# Altium PCB qwq.pcbdoc (part 1 of 3)
Units mil, origin at the board's own origin, x right, y up, seen from the top; angles counter-clockwise.
Board outline 7804.77 x 7315.9 mil, 6 copper layers (Top Layer, Inner1, Inner2, Inner3, Mid-Layer 4, Bottom Layer), stack 84 mil thick; 54 components, 121 nets, 696 pads, 479 vias.
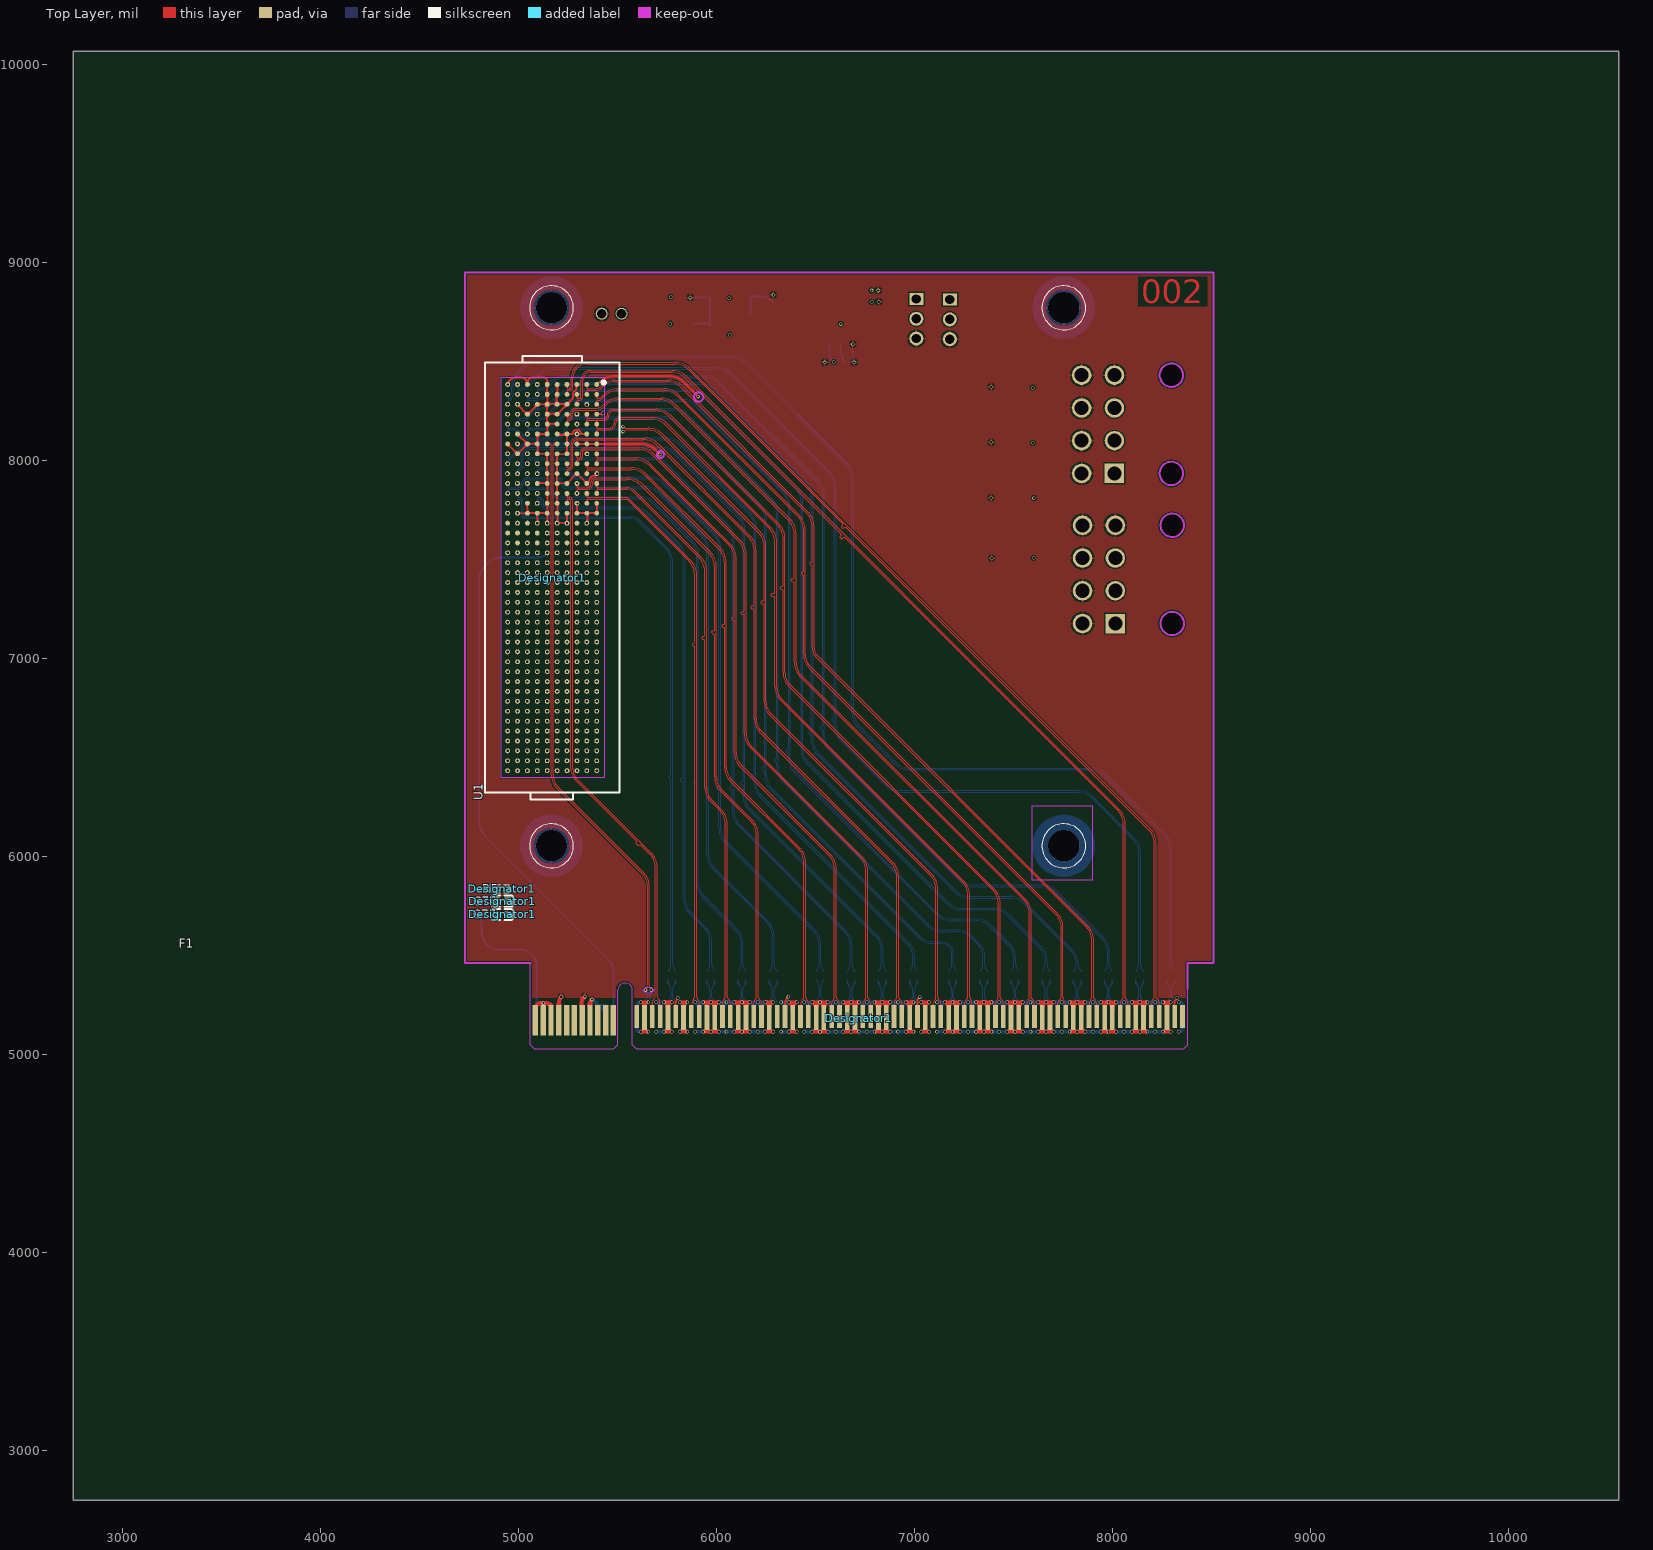
[diagram p0: Top Layer view]
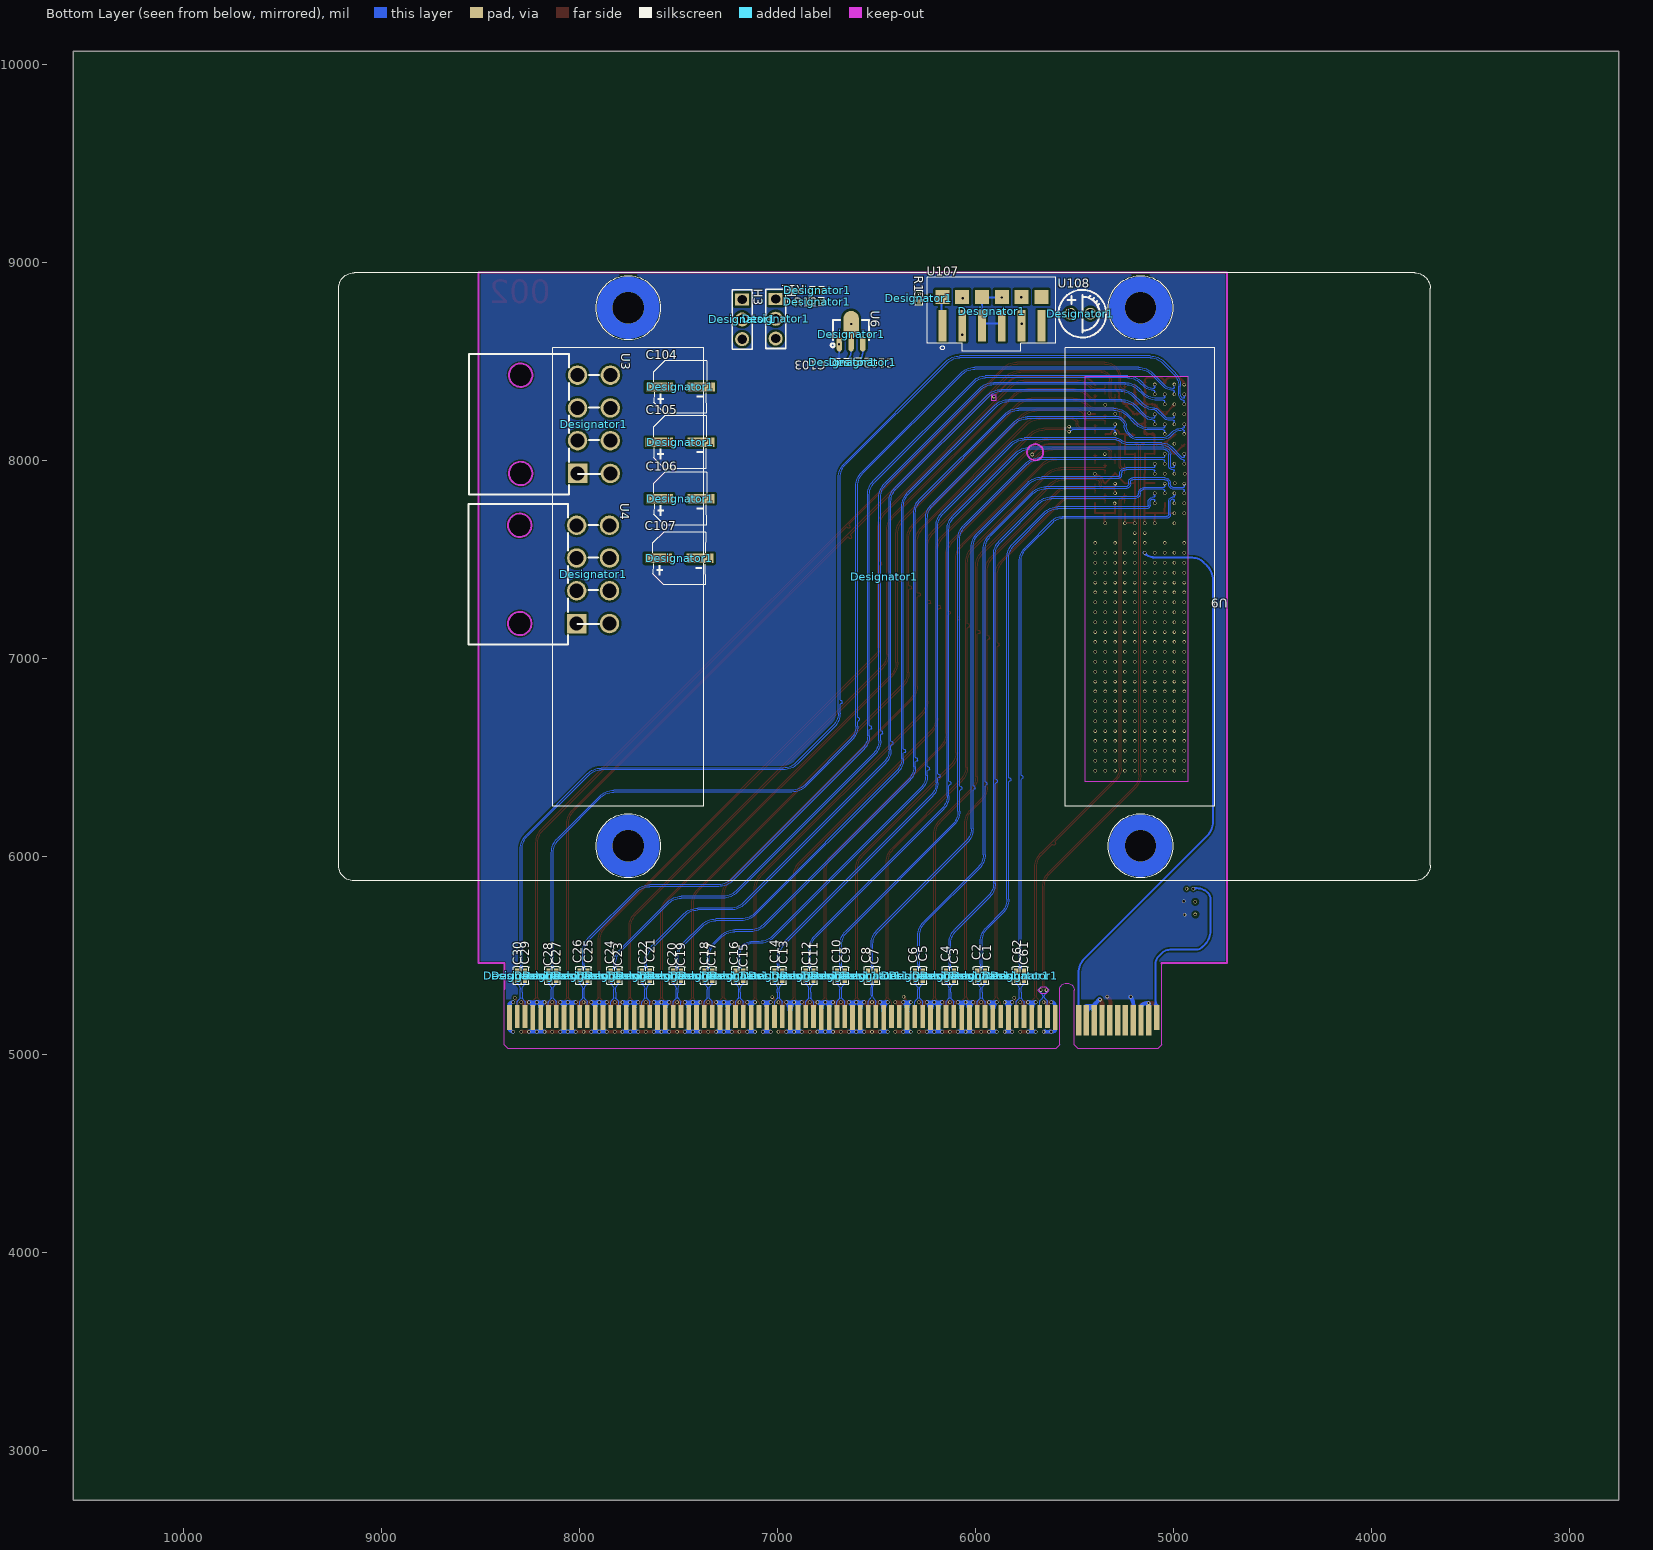
[diagram p1: Bottom Layer view, seen from below]
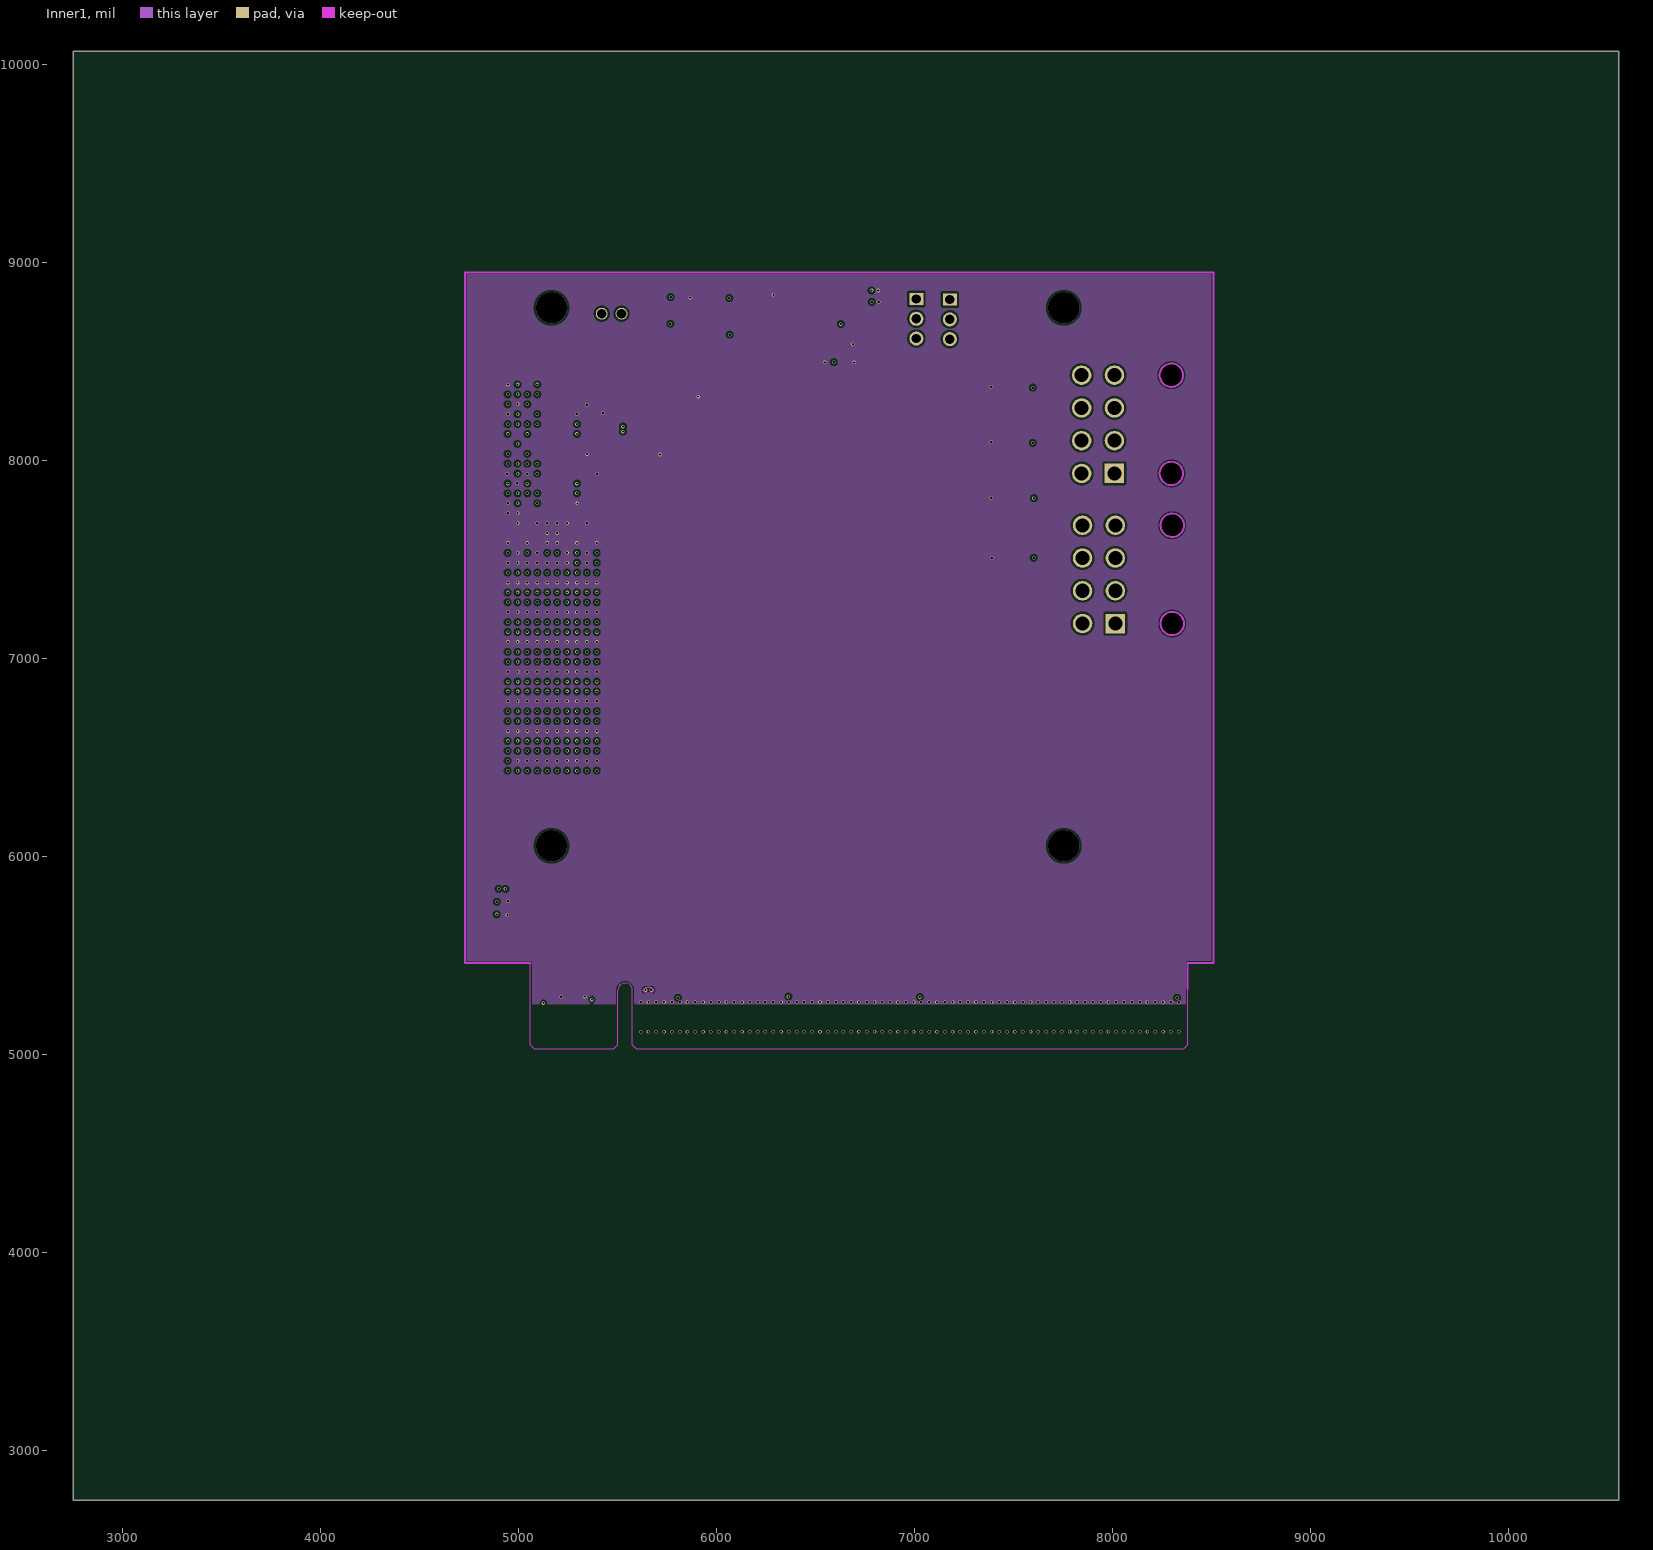
[diagram p2: Inner1]
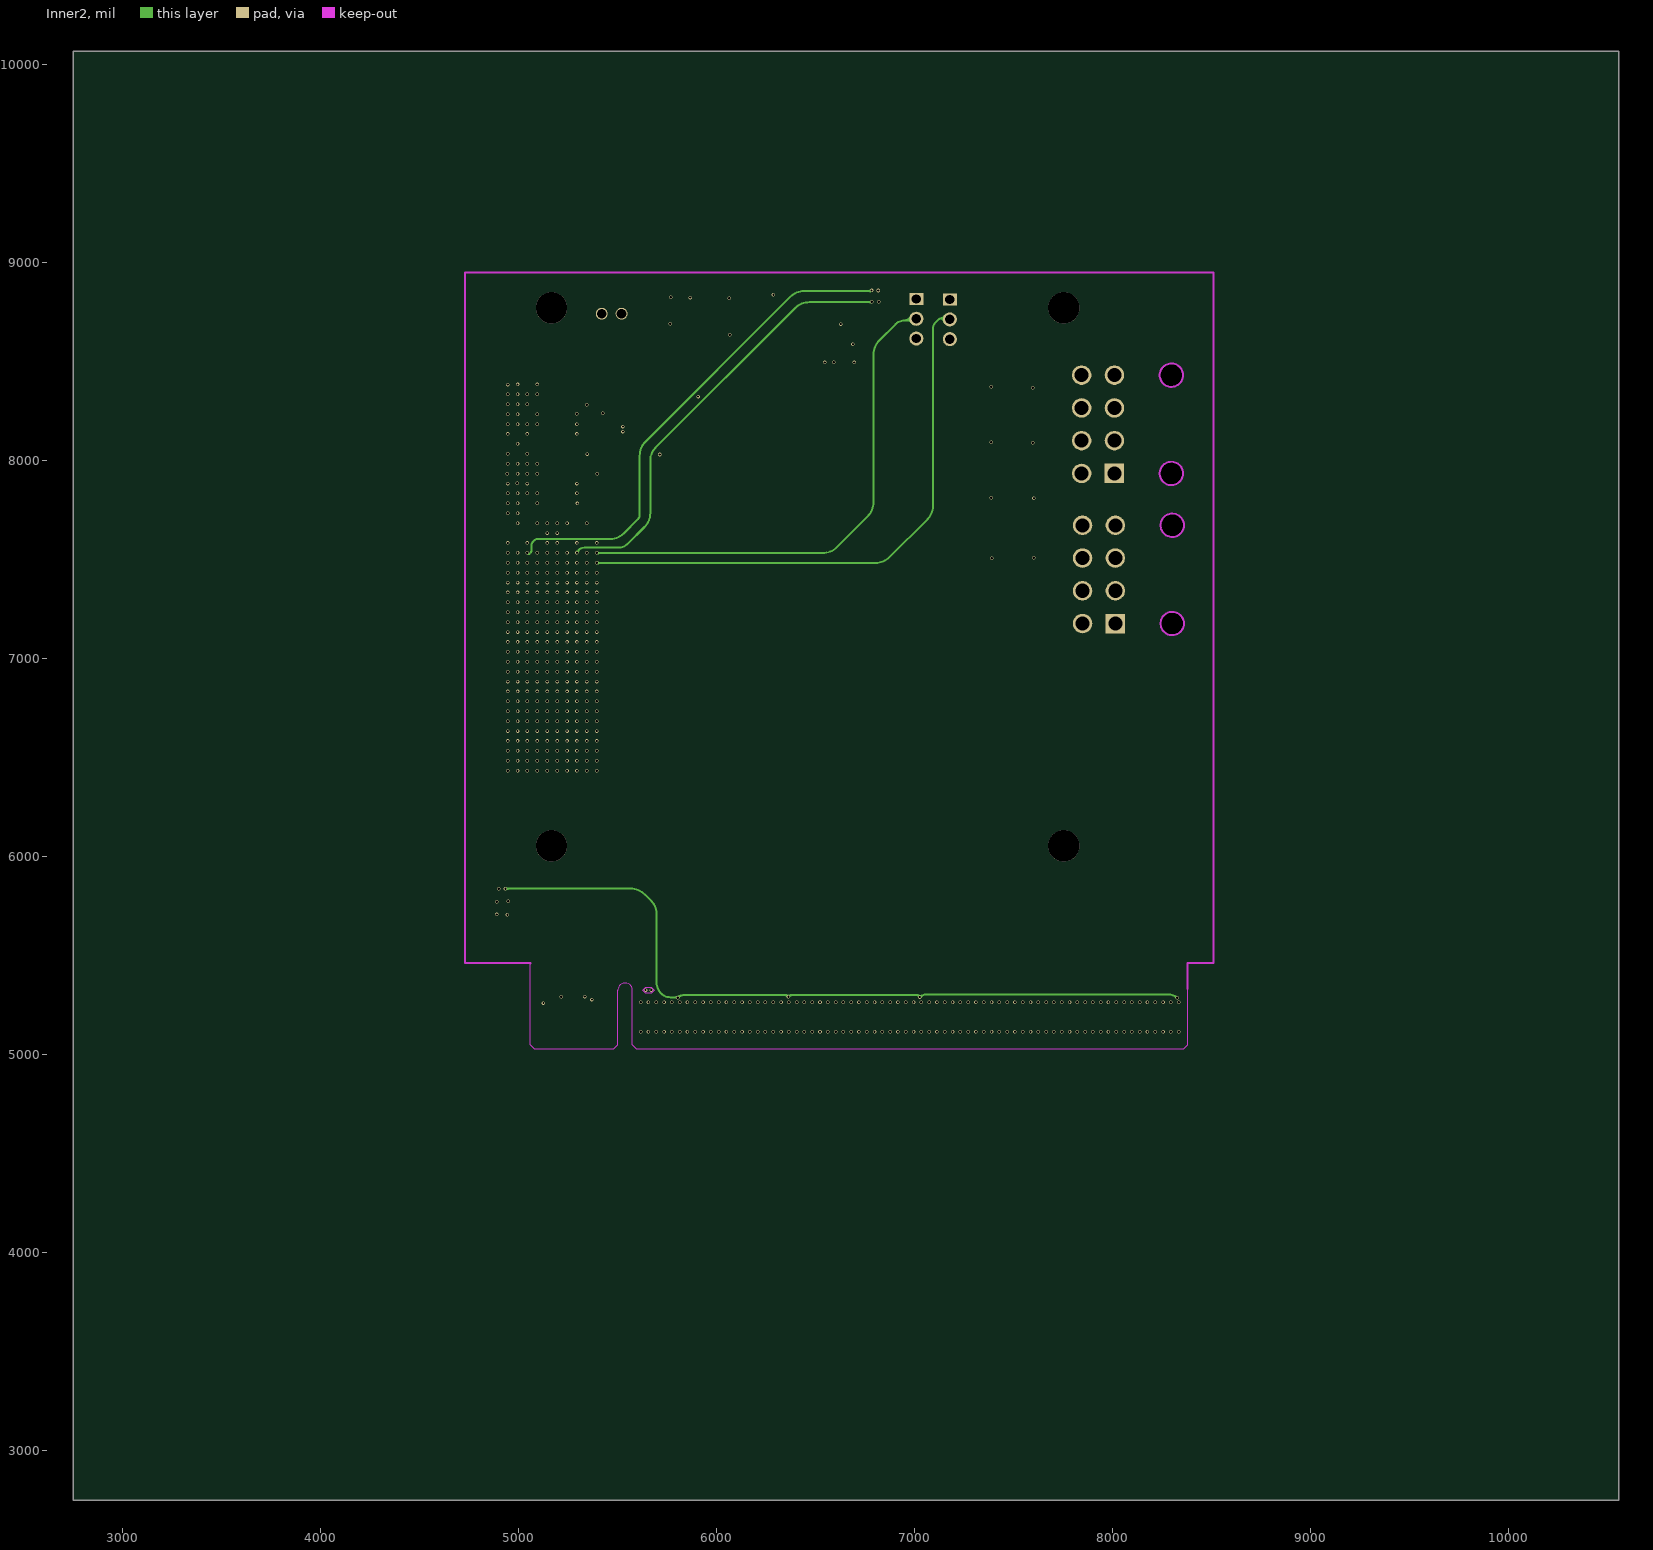
[diagram p3: Inner2]
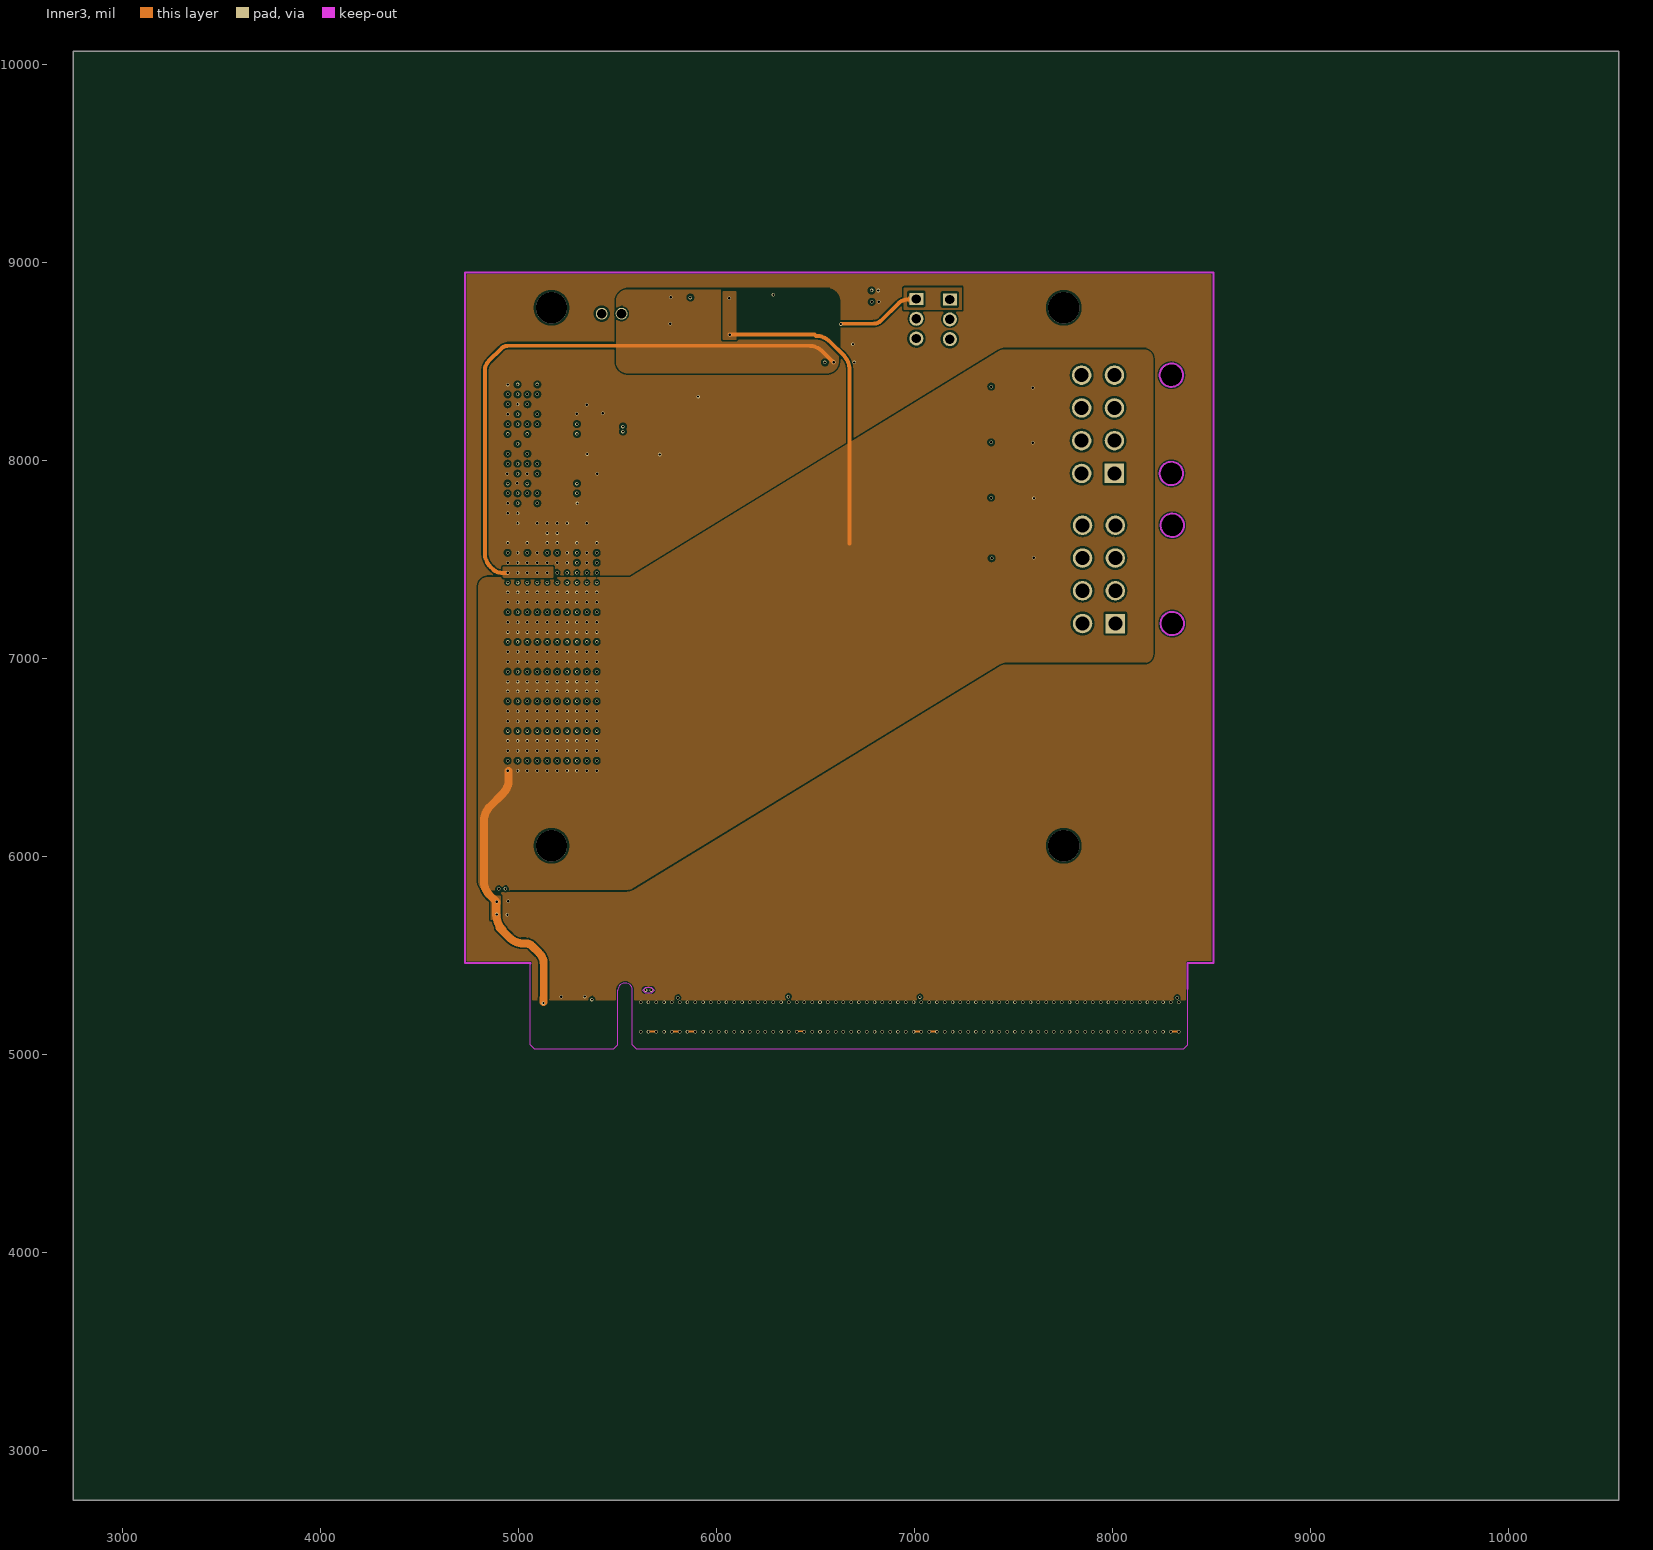
[diagram p4: Inner3]
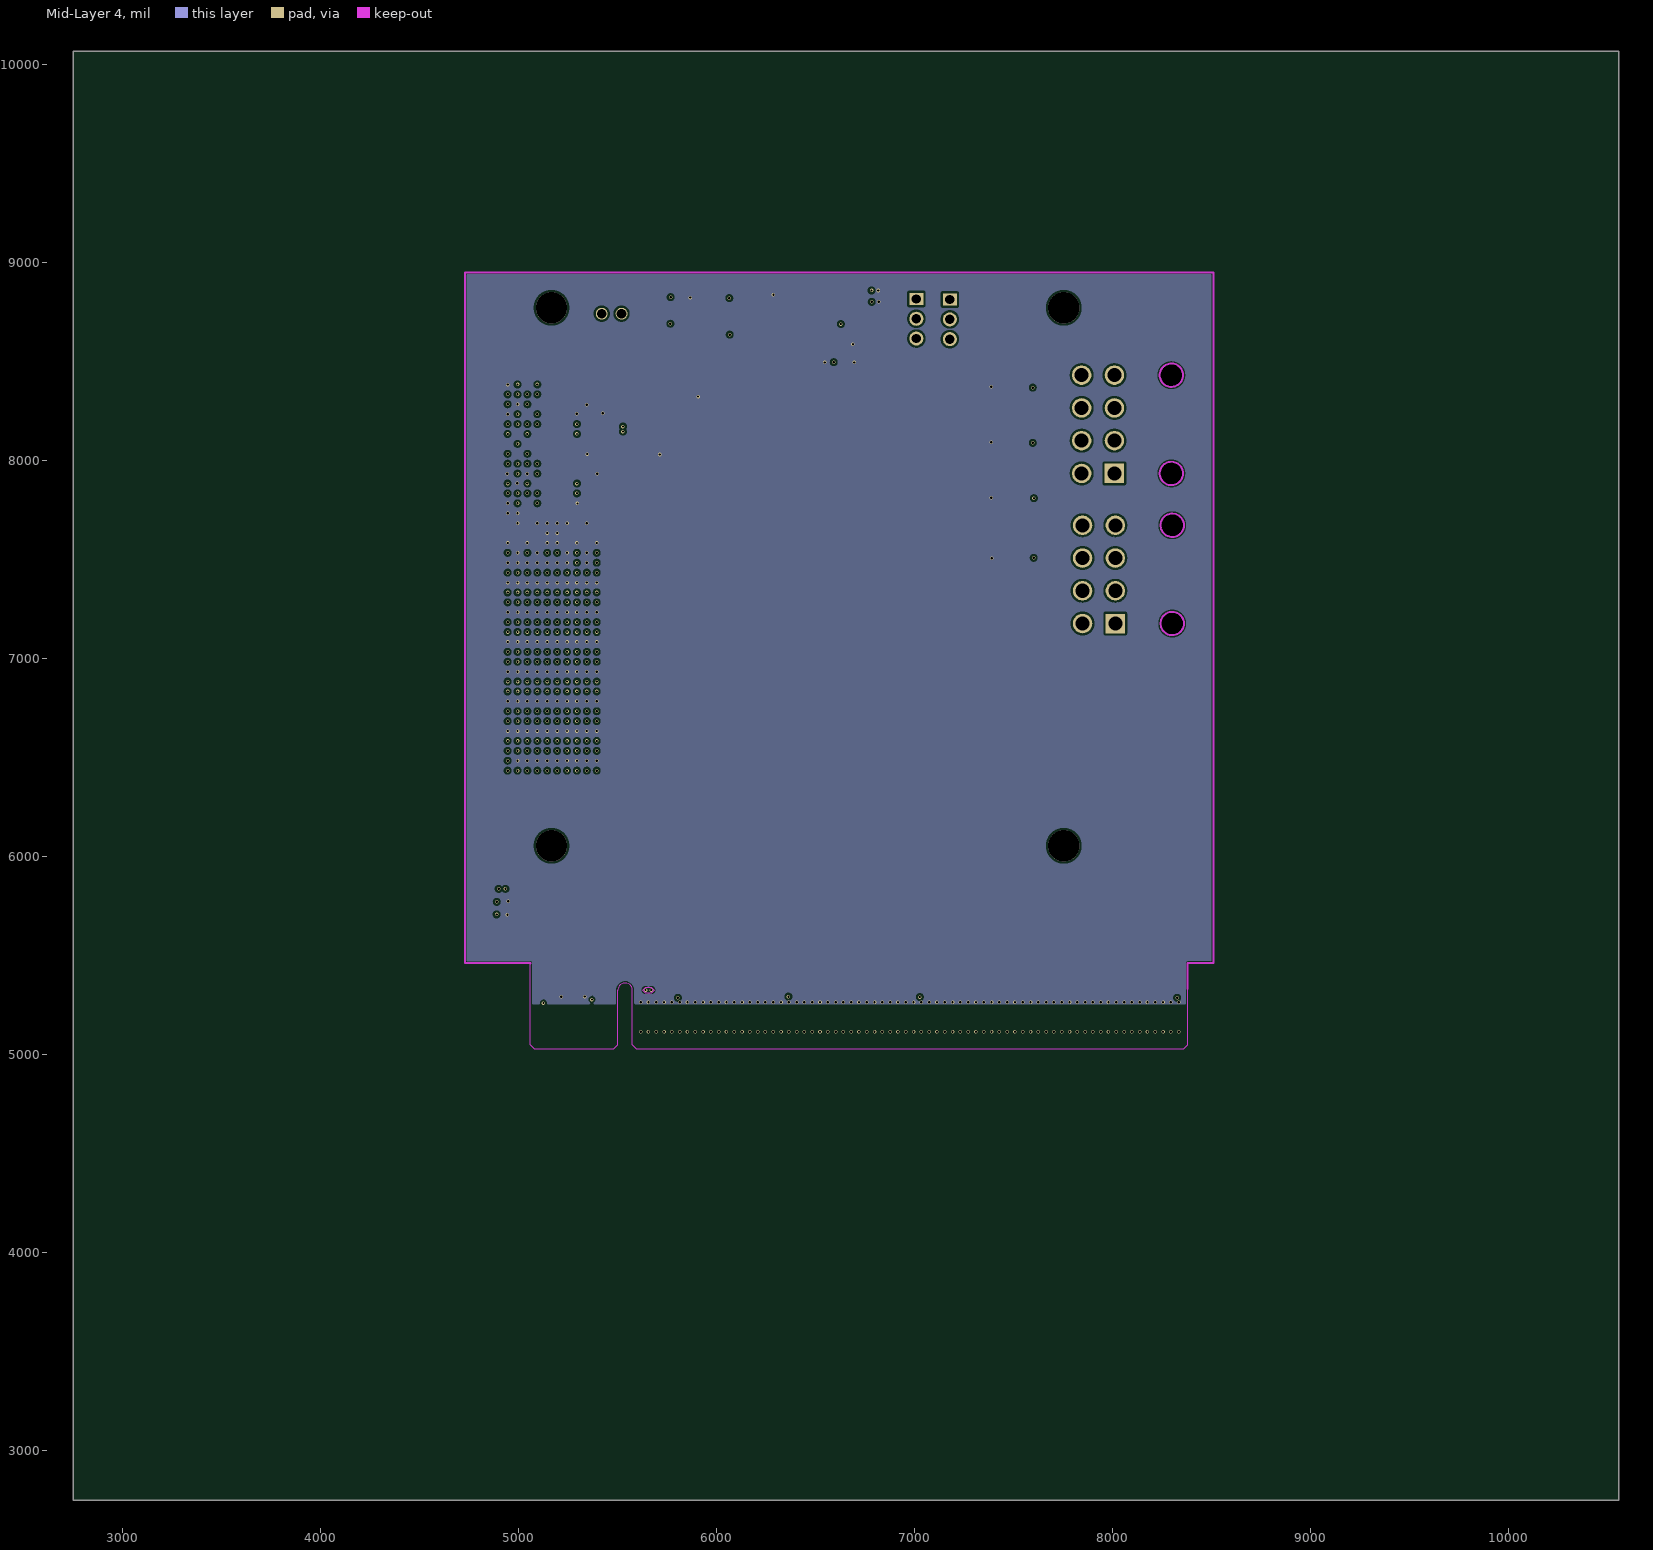
[diagram p5: Mid-Layer 4]

## Layer stack, top to bottom
Top Solder Mask Layer: solder mask 0.4, Solder Resist, Dk 3.5
Top Layer: signal copper 1.4
Dielectric1: dielectric 12.6, FR-4, Dk 4.8
Inner1: signal copper 1.4
Dielectric2: dielectric 12.6, FR-4, Dk 4.8
Inner2: signal copper 1.4
Dielectric3: dielectric 12.6, FR-4, Dk 4.8
Inner3: signal copper 1.4
Dielectric4: dielectric 12.6, FR-4, Dk 4.8
Mid-Layer 4: signal copper 1.4
Dielectric6: dielectric 12.6, FR-4, Dk 4.8
Bottom Layer: signal copper 1.4
Dielectric5: dielectric 12.6, FR-4, Dk 4.8
Bottom Solder Mask Layer: solder mask 0.4, Solder Resist, Dk 3.5

## Board outline
10554.77,2750 2750,2750 2750,10065.9 10554.77,10065.9
